# Altium PCB UltraZohm_Digital_Resolver.PcbDoc (part 2 of 3)
Units mm, origin at the board's own origin, x right, y up, seen from the top; angles counter-clockwise.
Board outline 155.99 x 100.01 mm, 4 copper layers (Top Layer, Ground, VCC, Bottom Layer), stack 0.98 mm thick; 372 components, 223 nets, 1088 pads, 356 vias.
Unrouted connection lines stored in the file: 162.
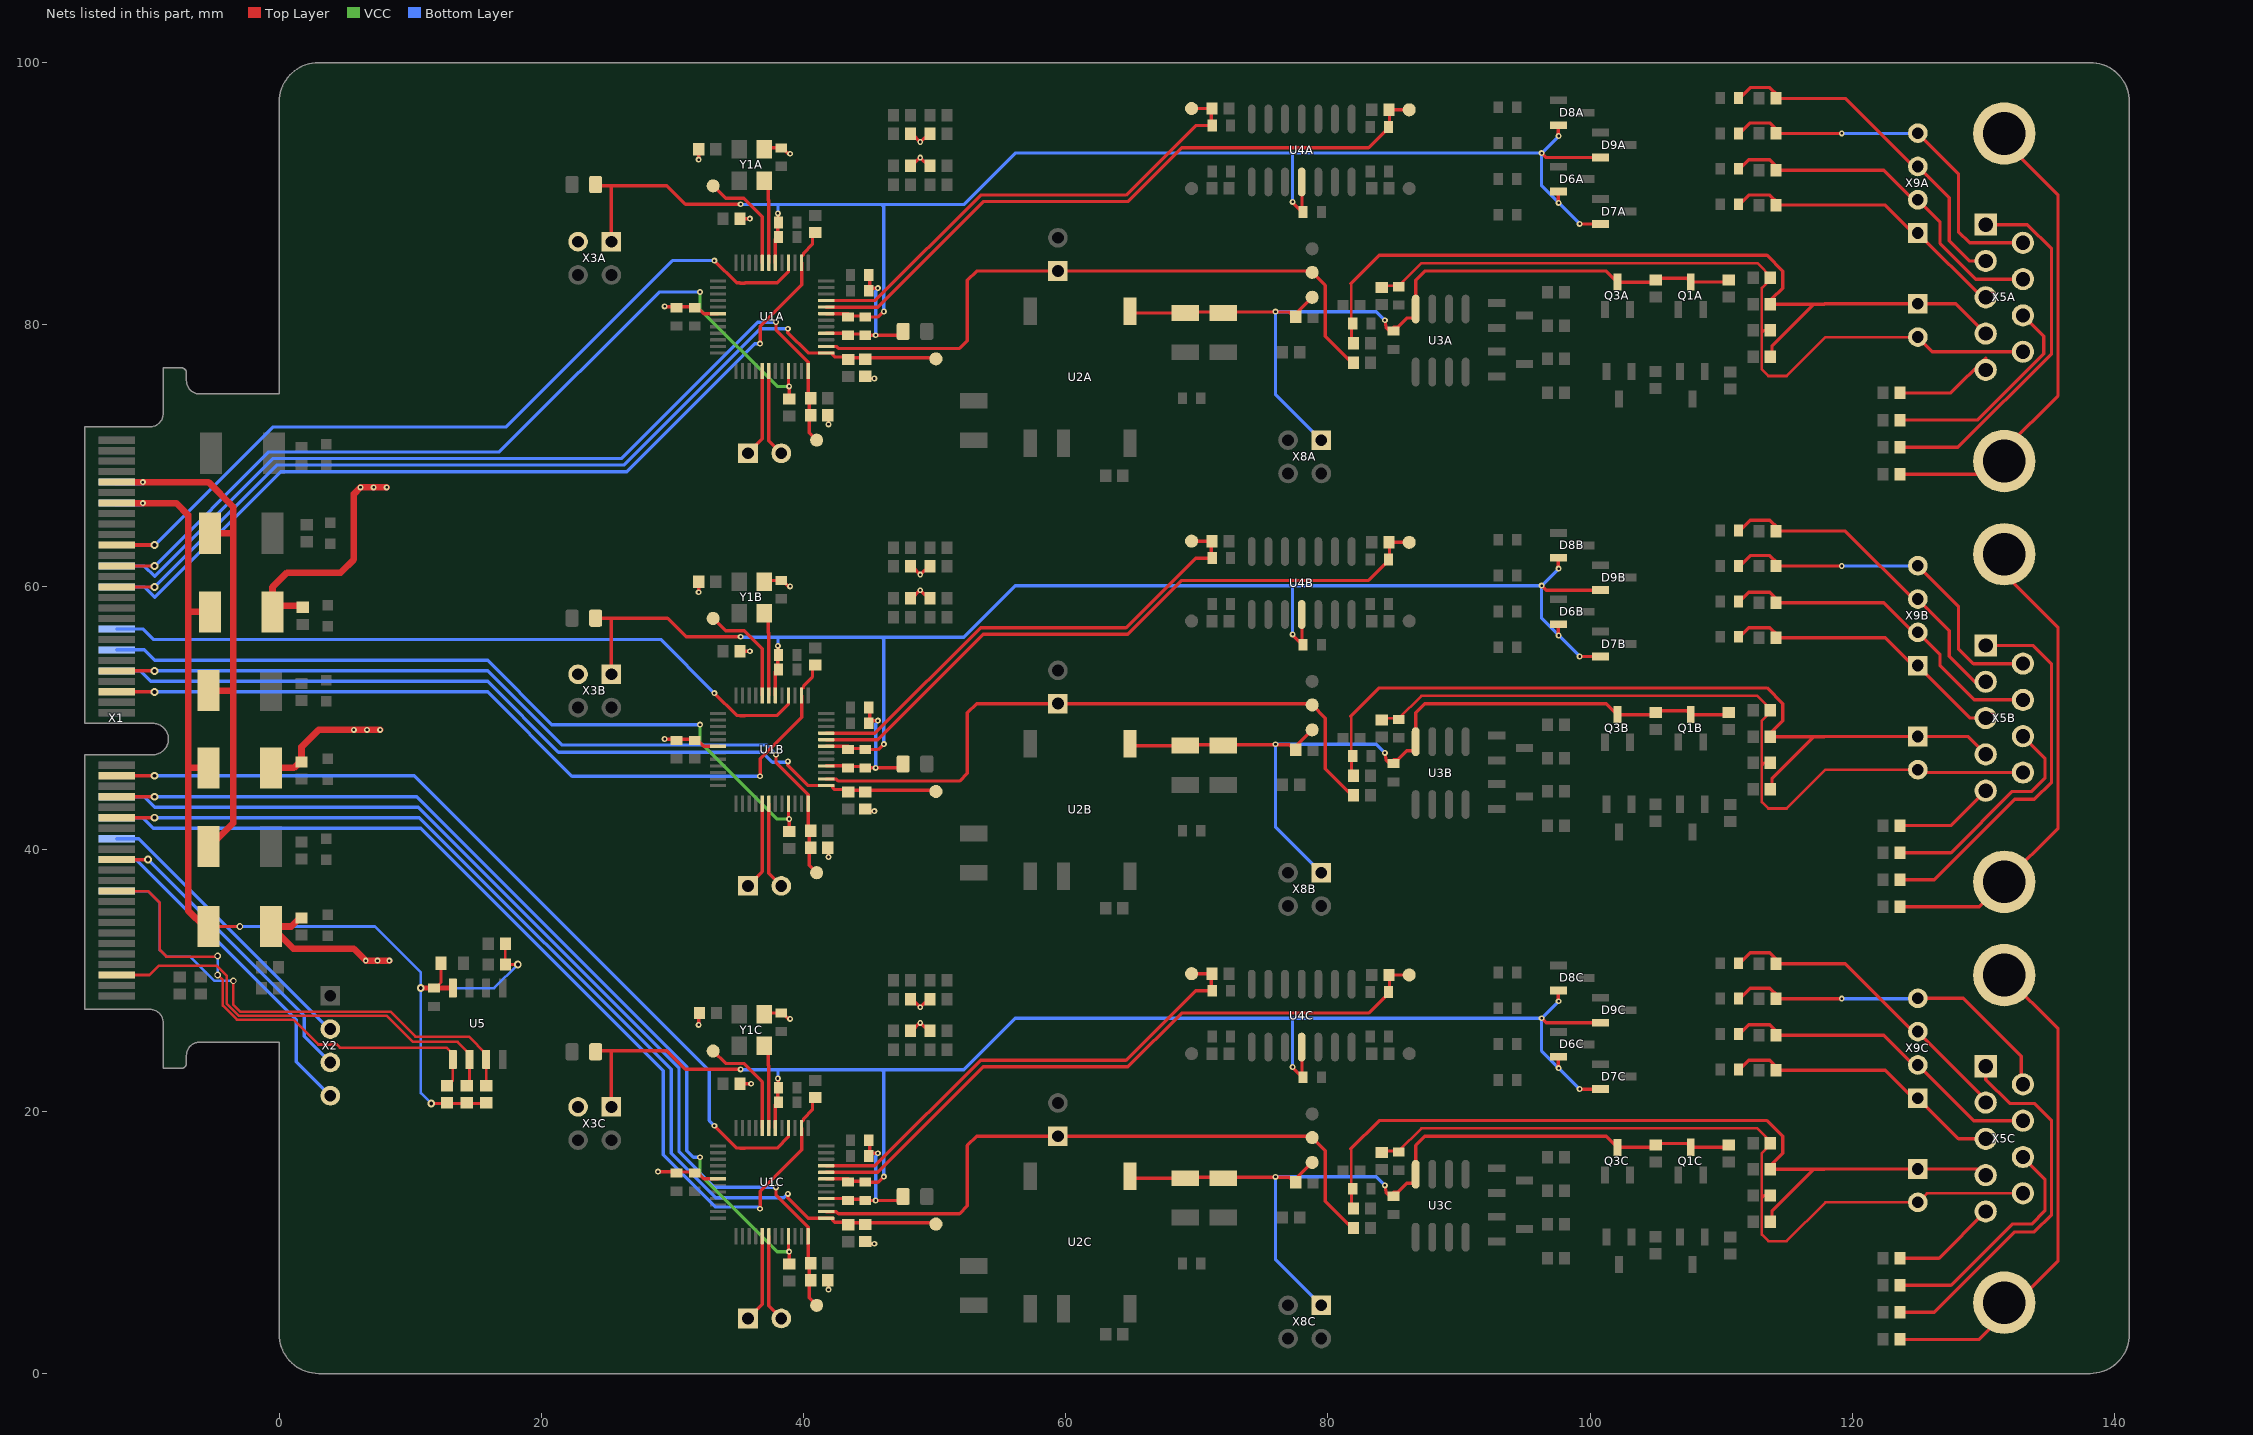
[diagram p4: the nets of this part, all layers, seen from the top]

## Part data
C1A C1B C1C C6A C6B C6C C8A C8B C8C C9A C9B C9C: library part GRM188R6YA475KE15D, "Capacitor 0603, 35 VDC, 4.7 µF, X5R", Device Package=0603, LCSC Part Number=C19666, Manufacturer=muRata, Operating Temperature="-55 - 85°C", Supplier Part Number 1=81-GRM188R6YA475KE5D, Tolerance="10 %", Voltage Rating="16 VDC", Component Type="Capacitor 0603", ComponentLink1Description=Datasheet, ComponentLink1URL=https://www.mouser.de/datasheet/2/281/murata_03052018_GRM_Series_1-1310166.pdf, Created from=MGremer, Created On="20.12.2020 13:54:13", Last Updated="20.12.2020 16:34:30", Live Cycle Status=1, Manufacturer Part Number=GRM188R6YA475KE15D, Mounting Type=SMD, PartID=11, Series=GRM, Stock number="Labor SMD Container", Supplier 1=Mouser, Type=Capacitor
C2A C2B C2C C5A C5B C5C C7A C7B C7C C10A C10B C10C: library part 0603B103K500NT, "50V 10nF X7R ±10% 0603  Multilayer Ceramic Capacitors MLCC - SMD/SMT ROHS", Device Package=0603, LCSC Part Number=C57112, Manufacturer="FH (Guangdong Fenghua Advanced Tech)", Operating Temperature="-55 - 125°C", Tolerance="10 %", Voltage Rating="50 VDC", Component Type="Capacitor 0603", ComponentLink1Description=Datasheet, ComponentLink1URL=https://datasheet.lcsc.com/lcsc/2102081402_FH--Guangdong-Fenghua-Advanced-Tech-0603B103K500NT_C57112.pdf, Created from=AGeiger, Created On="21.09.2022 07:22:21", Last Updated="21.09.2022 07:22:21", Live Cycle Status=1, Manufacturer Part Number=0603B103K500NT, Mounting Type=SMD, PartID=108, Series=X7R, Supplier 1=LCSC, Supplier Part Number 1=C57112, Type=Capacitor
C3: library part C0603C104K9PACTU, "Capacitor 0603, 6.3 VDC, 100 nF, X5R", Device Package=0603, Manufacturer=KEMET, Operating Temperature="-55 - 85°C", Supplier Part Number 1=80-C0603C104K9P, Tolerance="10 %", Voltage Rating="6.3 VDC", Component Type="Capacitor 0603", ComponentLink1Description=Datasheet, ComponentLink1URL=https://www.mouser.de/datasheet/2/212/KEM_C1006_X5R_SMD-1103249.pdf, Created from=MGremer, Created On="20.12.2020 13:54:13", Last Updated="20.01.2021 13:57:36", Live Cycle Status=1, Manufacturer Part Number=C0603C104K9PACTU, Mounting Type=SMD, PartID=70, Series="SMD Comm X5R", Stock number="not stored", Supplier 1=Mouser, Type=Capacitor
C4A C4B C4C C12A C12B C12C C24A C24B C24C C29A C29B C29C: library part CC0603KRX7R9BB104, "Capacitor 0603, 50 VDC, 100 nF, X7R", Device Package=0603, LCSC Part Number=C14663, Manufacturer=YAGEO, Operating Temperature="-55 - 125°C", Tolerance="10 %", Voltage Rating="50 VDC", Component Type="Capacitor 0603", ComponentLink1Description=Datasheet, ComponentLink1URL=https://datasheet.lcsc.com/lcsc/1809301912_YAGEO-CC0603KRX7R9BB104_C14663.pdf, Created from=AGeiger, Created On="22.08.2022 14:35:53", Last Updated="22.08.2022 14:35:53", Live Cycle Status=1, Manufacturer Part Number=CC0603KRX7R9BB104, Mounting Type=SMD, PartID=102, Series=X7R, Supplier 1=LCSC, Supplier 2=Mouser, Supplier Part Number 1=C14663, Supplier Part Number 2=603-CC603KRX7R9BB104, Type=Capacitor
C11A C11B C11C C13A C13B C13C C30A C30B C30C: library part Cap_1206, "Capacitor", LCSC Part Number=C50254, Voltage=50V
C14A C14B C14C C15A C15B C15C C16A C16B C16C C17A C17B C17C C18A C18B C18C C19A C19B C19C: library part CL10C101JB8NNNC, "50V 100pF C0G ±5% 0603 Multilayer Ceramic Capacitors MLCC - SMD/SMT ROHS", Device Package=0603, LCSC Part Number=C14858, Manufacturer="Samsung Electro-Mechanics", Operating Temperature="-55 - 125°C", Tolerance="5 %", Voltage Rating="50 VDC", Component Type="Capacitor 0603", ComponentLink1Description=Datasheet, ComponentLink1URL=https://datasheet.lcsc.com/lcsc/1811151136_Samsung-Electro-Mechanics-CL10C101JB8NNNC_C14858.pdf, Created from=AGeiger, Created On="03.09.2022 10:55:28", Last Updated="03.09.2022 10:55:28", Live Cycle Status=1, Manufacturer Part Number=CL10C101JB8NNNC, Mounting Type=SMD, PartID=106, Series=C0G, Supplier 1=LCSC, Supplier Part Number 1=C14858, Type=Capacitor
C20A C20B C20C C21A C21B C21C C22A C22B C22C C23A C23B C23C C25A C25B C25C C26A C26B C26C C27A C27B C27C C28A C28B C28C: library part CC0603JRNPO9BN102, "Capacitor 0603, 50 VDC, 1 nF, NP0", Device Package=0603, LCSC Part Number=C106246, Manufacturer=YAGEO, Operating Temperature="-55 - 125°C", Tolerance="5 %", Voltage Rating="50 VDC", Component Type="Capacitor 0603", ComponentLink1Description=Datasheet, ComponentLink1URL=https://datasheet.lcsc.com/lcsc/1811021411_YAGEO-CC0603JRNPO9BN102_C106246.pdf, Created from=AGeiger, Created On="30.08.2022 11:46:28", Last Updated="30.08.2022 11:46:28", Live Cycle Status=1, Manufacturer Part Number=CC0603JRNPO9BN102, Mounting Type=SMD, PartID=104, Series=NP0, Supplier 1=LCSC, Supplier Part Number 1=C106246, Type=Capacitor
D1: "LED BLUE 465~475NM 11.5~28.5MCD@5MA TOP VIEW 0603 ROHS", Color=blue, Device Package=0603, Forward Current I_f="20 mA", Forward Voltage U_f="2.8 V", LCSC Part Number=C72041, Manufacturer="Everlight Elec", Nominal Power="68 mW", Operating Temperature="-40 - 85 °C", Component Type="LED Diode", ComponentLink1Description=Datasheet, ComponentLink1URL=https://datasheet.lcsc.com/szlcsc/Everlight-Elec-19-217-BHC-ZL1M2RY-3T_C72041.pdf, Created from="T. Wendt", Created On="03.03.2021 09:59:51", Last Updated="04.03.2021 09:02:49", Light Intensity="28.5 mcd", Live Cycle Status=1, Manufacturer Part Number=19-217/BHC-ZL1M2RY/3T, Mounting Type=SMD, PartID=6, Stock number="not stored", Supplier 1=LCSC, Supplier Part Number 1=C72041, Type=Standard, Wavelength="470 nm"
D2A D2B D2C: "LED RED 520~625NM 90~100MCD@20MA TOP VIEW 0603 ROHS", Color=red, Device Package=0603, Forward Current I_f="20 mA", Forward Voltage U_f="2.1 V", LCSC Part Number=C2286, Manufacturer="Hubei KENTO Elec", Nominal Power="42 mW", Operating Temperature="-40 - 85 °C", Component Type="LED Diode", ComponentLink1Description=Datasheet, ComponentLink1URL=https://datasheet.lcsc.com/szlcsc/Hubei-KENTO-Elec-KT-0603R_C2286.pdf, Created from="T. Wendt", Created On="03.03.2021 10:06:23", Last Updated="04.03.2021 09:02:49", Light Intensity="110 mcd", Live Cycle Status=1, Manufacturer Part Number=KT-0603R, Mounting Type=SMD, PartID=8, Stock number="not stored", Supplier 1=LCSC, Supplier Part Number 1=C2286, Type=Standard, Wavelength="620 nm"
D3A D3B D3C: "LED GREEN 520~535NM 112~258MCD@20MA TOP VIEW 0603 ROHS", Color=green, Device Package=0603, Forward Current I_f="20 mA", Forward Voltage U_f="3.3 V", LCSC Part Number=C72043, Manufacturer="Everlight Elec", Nominal Power="83 mW", Operating Temperature="-40 - 85 °C", Component Type="LED Diode", ComponentLink1Description=Datasheet, ComponentLink1URL=https://datasheet.lcsc.com/szlcsc/Everlight-Elec-19-217-GHC-YR1S2-3T_C72043.pdf, Created from="T. Wendt", Created On="03.03.2021 10:06:23", Last Updated="04.03.2021 09:02:49", Light Intensity="285 mcd", Live Cycle Status=1, Manufacturer Part Number=19-217/GHC-YR1S2/3T, Mounting Type=SMD, PartID=7, Stock number="not stored", Supplier 1=LCSC, Supplier 2=Mouser, Supplier Part Number 1=C72043, Supplier Part Number 2=638-19217GHCYR1S23T, Type=Standard, Wavelength="530 nm"
D4A D4B D4C D5A D5B D5C: library part "Diode Array", "DIODE ARRAY GP 100V 215MA SOT23", LCSC Part Number=C2500, Package=SOT-23-3, Supplier Part Number 1=771-BAV99235, MF=Nexperia, MPN=BAV99,235, Supplier 1=Mouser, Supplier 2=Digi-Key, Supplier Part Number 2=1727-4311-1-ND
D6A D6B D6C D7A D7B D7C D8A D8B D8C D9A D9B D9C: library part "Diode Array Schottky", "DIODE SCHOTTKY 70V DUAL SOT23", LCSC Part Number=C389351, Package=SOT-23-3, Supplier Part Number 1=863-SBAS70-04LT1G, MF="ON Semiconductor", MPN=SBAS70-04LT1G, Supplier 1=Mouser, Supplier 2=Digi-Key, Supplier Part Number 2=SBAS70-04LT1GOSCT-ND
Date: library part 5, "Create a project parameter named \"FinDate\" this is the value of this component. It is printed on the PCB. Once the parameter is updated (e.g. new revision) it gets updated on the PCB as well", Manufacturer="PCB Manufacturer", Manufacturer Part Number="Project End Date", Component Type="Date of Project Finalization", Created from="T. Wendt", Created On="01.03.2021 09:01:41", Last Updated="01.03.2021 09:01:41", Live Cycle Status=1, PartID=5, Type="Standard (No BOM)"
Designer: library part 4, "Create a project parameter named \"Author\" this is the value of this component. It is printed on the PCB. Once the parameter is updated (e.g. new revision) it gets updated on the PCB as well", Manufacturer="PCB Manufacturer", Manufacturer Part Number="Project Author", Component Type="Project Author", Created from="T. Wendt", Created On="01.03.2021 08:53:41", Last Updated="01.03.2021 09:20:27", Live Cycle Status=1, PartID=4, Type="Standard (No BOM)"
F1 F2A F2B F2C F3A F3B F3C: "POLYSWITCH RESETTABLE DEVICES", Hold Current=1.1A, LCSC Part Number=C70119, Manufacturer=Littelfuse, MPN=miniASMDC110F/24, Nominal current="1 A", Operating Temperature="-40 - 85 °C", Package=1812, Resistance="0.18 Ohm", Supplier Part Number 1=530-0ZCG0150BF2C, Trip Current=2.2A, Voltage=24V, Component Type=Littelfuse_PTC_1812, ComponentLink1Description=Datasheet, ComponentLink1URL=https://www.littelfuse.com/~/media/electronics/datasheets/resettable_ptcs/littelfuse_ptc_surface_mount_catalog_datasheet.pdf.pdf, Created=2019_02_10_AGeiger, Created from=MHlatky, Created On="07.05.2021 06:50:33", Last Updated="27.05.2022 15:06:17", Live Cycle Status=1, Manufacturer Part Number=Littelfuse_PTC_1812, MF=Littelfuse, Mounting Type=SMD, PartID=5, Supplier 1=Mouser, Type=Fuse
L1A L1B L1C L2A L2B L2C: "2A 1 90mΩ 600Ω@100MHz ±25% 0805  Ferrite Beads ROHS", DC current="2 A", Device Package=0805, LCSC Part Number=C98308, Manufacturer=Sunlord, Operating Temperature="-55 - 125 °C", Component Type="Ferrite Beads", ComponentLink1Description=Datasheet, ComponentLink1URL=https://datasheet.lcsc.com/lcsc/2110091730_Sunlord-UPZ2012E601-2R0TF_C98308.pdf, Created from=AGeiger, Created On="03.09.2022 16:57:01", Last Updated="03.09.2022 17:01:04", Live Cycle Status=1, Manufacturer Part Number=UPZ2012E601-2R0TF, Mounting Type=SMD, PartID=11, Supplier 1=LCSC, Supplier Part Number 1=C98308, Type="Ferrite Bead"
LOGO1 LOGO2: library part 1, "Official Project Logo of the UltraZohm", Manufacturer="PCB Manufacturer", Manufacturer Part Number="UltraZohm Logo", Component Type=Logo, ComponentLink1Description=Homepage, ComponentLink1URL=https://ultrazohm.com, Created from="T. Wendt", Created On="19.02.2021 16:55:56", Last Updated="02.03.2021 14:31:24", Live Cycle Status=1, PartID=1, Type="Standard (No BOM)"
Project: library part 2, "Create a project parameter named \"ProjectNameCustom\" this is the value of this component and it is printed on the PCB.", Manufacturer="PCB Manufacturer", Manufacturer Part Number="Project Name", Component Type="Project Name", Created from="T. Wendt", Created On="01.03.2021 08:43:57", Last Updated="01.03.2021 09:07:27", Live Cycle Status=1, PartID=2, Type="Standard (No BOM)"
Q1A Q1B Q1C Q3A Q3B Q3C: library part "NPN Transistor BC846", "NPN Bipolar Transistor", LCSC Part Number=C513271, Package=SOT-23-3, Supplier Part Number 1=863-BC846BLT3G, MF="ON Semiconductor", MPN=BC846BLT3G, Supplier 1=Mouser, Supplier 2=Digi-Key, Supplier Part Number 2=BC846BLT3GOSCT-ND
Q2A Q2B Q2C Q4A Q4B Q4C: library part "PNP Transistor BC846", "PNP Bipolar Transistor", LCSC Part Number=C109310, Package=SOT-23-3, Supplier Part Number 1=771-BC856B-T/R, MF=Nexperia, MPN=BC856B,215, Supplier 1=Mouser, Supplier 2=Digi-Key, Supplier Part Number 2=1727-2925-1-ND
R1 R2 R3A R3B R3C R4A R4B R4C R5A R5B R5C R50A R50B R50C R51A R51B R51C R52A R52B R52C R53 R54: library part RC0603JR-070RL, "SMD resistor E24 series", Device Package=0603, LCSC Part Number=C21189, Manufacturer=YAGEO, Supplier Part Number 1=603-RC0603JR-070RL, Tolerance=5%, Component Type="SMD resistor", ComponentLink1Description=Datasheet, ComponentLink1URL=https://www.mouser.de/datasheet/2/447/PYu-RC_Group_51_RoHS_L_10-1664068.pdf, Created from=MGremer, Created On="14.12.2020 16:17:14", Last Updated="04.03.2021 09:09:42", Live Cycle Status=1, Manufacturer Part Number=RC0603JR-070RL, Mounting Type=SMD, PartID=1, Stock number="Labor SMD Container", Supplier 1=Mouser, Supplier 2=LCSC, Supplier Part Number 2=C21189, Type=Resistor
R6 R24A R24B R24C: library part RK73B1JTTD223J, "SMD resistor E24 series", Device Package=0603, LCSC Part Number=C31850, Manufacturer="KOA Speer", Supplier Part Number 1=660-RK73B1JTTD223J, Tolerance=5%, Component Type="SMD resistor", ComponentLink1Description=Datasheet, ComponentLink1URL=https://www.mouser.de/datasheet/2/219/RK73B-1825463.pdf, Created from=MGremer, Created On="14.12.2020 16:17:14", Last Updated="01.02.2023 09:52:31", Live Cycle Status=1, Manufacturer Part Number=RK73B1JTTD223J, Mounting Type=SMD, PartID=106, Stock number="Labor SMD Container", Supplier 1=Mouser, Type=Resistor
R7A R7B R7C R8A R8B R8C R9A R9B R9C R10A R10B R10C R11A R11B R11C R12A R12B R12C R13A R13B R13C R14A R14B R14C R15A R15B R15C R16A R16B R16C R17A R17B R17C R18A R18B R18C R19A R19B R19C R20A R20B R20C R21A R21B R21C R25A R25B R25C R26A R26B R26C R27A R27B R27C: library part RK73B1JTTD103J, "SMD resistor E24 series", Device Package=0603, LCSC Part Number=C25804, Manufacturer="KOA Speer", Supplier Part Number 1=660-RK73B1JTTD103J, Tolerance=5%, Component Type="SMD resistor", ComponentLink1Description=Datasheet, ComponentLink1URL=https://www.mouser.de/datasheet/2/219/RK73B-1825463.pdf, Created from=MGremer, Created On="14.12.2020 16:17:14", Last Updated="27.05.2022 14:04:22", Live Cycle Status=1, Manufacturer Part Number=RK73B1JTTD103J, Mounting Type=SMD, PartID=98, Stock number="Labor SMD Container", Supplier 1=Mouser, Type=Resistor
R22A R22B R22C R46A R46B R46C R47A R47B R47C R48A R48B R48C R49A R49B R49C R55 R56 R57: library part 0603WAF4701T5E, "SMD resistor E24 series", Device Package=0603, LCSC Part Number=C23162, Manufacturer=UNI-ROYAL, Tolerance=1%, Component Type="SMD resistor", ComponentLink1Description=Datasheet, ComponentLink1URL=https://datasheet.lcsc.com/lcsc/2206010116_UNI-ROYAL-Uniroyal-Elec-0603WAF4701T5E_C23162.pdf, Created from=AGeiger, Created On="14.12.2020 16:17:14", Last Updated="25.08.2022 20:03:04", Live Cycle Status=1, Manufacturer Part Number=0603WAF4701T5E, Mounting Type=SMD, PartID=90, Stock number="Labor SMD Container", Supplier 1=LCSC, Supplier Part Number 1=C23162, Type=Resistor
R23A R23B R23C R30A R30B R30C R33A R33B R33C R34A R34B R34C R37A R37B R37C: library part RK73B1JTTD222J, "SMD resistor E24 series", Device Package=0603, LCSC Part Number=C4190, Manufacturer="KOA Speer", Supplier Part Number 1=660-RK73B1JTTD222J, Tolerance=5%, Component Type="SMD resistor", ComponentLink1Description=Datasheet, ComponentLink1URL=https://www.mouser.de/datasheet/2/219/RK73B-1825463.pdf, Created from=MGremer, Created On="14.12.2020 16:17:14", Last Updated="31.01.2023 21:49:41", Live Cycle Status=1, Manufacturer Part Number=RK73B1JTTD222J, Mounting Type=SMD, PartID=82, Stock number="Labor SMD Container", Supplier 1=Mouser, Type=Resistor
R28A R28B R28C R29A R29B R29C: library part RK73B1JTTD153J, "SMD resistor E24 series", Device Package=0603, LCSC Part Number=C22809, Manufacturer="KOA Speer", Supplier Part Number 1=660-RK73B1JTTD153J, Tolerance=5%, Component Type="SMD resistor", ComponentLink1Description=Datasheet, ComponentLink1URL=https://www.mouser.de/datasheet/2/219/RK73B-1825463.pdf, Created from=MGremer, Created On="14.12.2020 16:17:14", Last Updated="27.05.2022 13:41:55", Live Cycle Status=1, Manufacturer Part Number=RK73B1JTTD153J, Mounting Type=SMD, PartID=102, Stock number="Labor SMD Container", Supplier 1=Mouser, Type=Resistor
R31A R31B R31C R32A R32B R32C R35A R35B R35C R36A R36B R36C: library part RK73B1JTTDD3R3J, "SMD resistor E24 series", Device Package=0603, LCSC Part Number=C25238, Manufacturer="KOA Speer", Supplier Part Number 1=660-RK73B1JTTDD3R3J, Tolerance=5%, Component Type="SMD resistor", ComponentLink1Description=Datasheet, ComponentLink1URL=https://www.mouser.de/datasheet/2/219/RK73B-1825463.pdf, Created from=MGremer, Created On="14.12.2020 16:17:14", Last Updated="31.01.2023 21:46:34", Live Cycle Status=1, Manufacturer Part Number=RK73B1JTTDD3R3J, Mounting Type=SMD, PartID=14, Stock number="Labor SMD Container", Supplier 1=Mouser, Type=Resistor
R38A R38B R38C R39A R39B R39C R40A R40B R40C R41A R41B R41C: library part RK73B1JTTDD4R7J, "SMD resistor E24 series", Device Package=0603, LCSC Part Number=C23164, Manufacturer="KOA Speer", Supplier Part Number 1=660-RK73B1JTTDD4R7J, Tolerance=5%, Component Type="SMD resistor", ComponentLink1Description=Datasheet, ComponentLink1URL=https://www.mouser.de/datasheet/2/219/RK73B-1825463.pdf, Created from=MGremer, Created On="14.12.2020 16:17:14", Last Updated="31.01.2023 21:53:12", Live Cycle Status=1, Manufacturer Part Number=RK73B1JTTDD4R7J, Mounting Type=SMD, PartID=18, Stock number="Labor SMD Container", Supplier 1=Mouser, Type=Resistor
R42A R42B R42C R43A R43B R43C R44A R44B R44C R45A R45B R45C: library part RK73B1JTTD101J, "SMD resistor E24 series", Device Package=0603, LCSC Part Number=C22775, Manufacturer="KOA Speer", Supplier Part Number 1=660-RK73B1JTTD101J, Tolerance=5%, Component Type="SMD resistor", ComponentLink1Description=Datasheet, ComponentLink1URL=https://www.mouser.de/datasheet/2/219/RK73B-1825463.pdf, Created from=MGremer, Created On="14.12.2020 16:17:14", Last Updated="29.11.2022 14:30:07", Live Cycle Status=1, Manufacturer Part Number=RK73B1JTTD101J, Mounting Type=SMD, PartID=50, Stock number="Labor SMD Container", Supplier 1=Mouser, Supplier 2=LCSC, Supplier Part Number 2=C22775, Type=Resistor
R59 R60: library part RK73B1JTTD104J, "SMD resistor E24 series", Device Package=0603, LCSC Part Number=C25803, Manufacturer="KOA Speer", Supplier Part Number 1=660-RK73B1JTTD104J, Tolerance=5%, Component Type="SMD resistor", ComponentLink1Description=Datasheet, ComponentLink1URL=https://www.mouser.de/datasheet/2/219/RK73B-1825463.pdf, Created from=MGremer, Created On="14.12.2020 16:17:14", Last Updated="27.05.2022 14:04:10", Live Cycle Status=1, Manufacturer Part Number=RK73B1JTTD104J, Mounting Type=SMD, PartID=122, Stock number="Labor SMD Container", Supplier 1=Mouser, Type=Resistor
Revision: library part 3, "Create a project parameter named \"ProjectRevision\" this is the value of this component. It is printed on the PCB. Once the parameter is updated (e.g. new revision) it gets updated on the PCB as well", Manufacturer="PCB Manufacturer", Manufacturer Part Number="Project Revision", Component Type="Project Revision", Created from="T. Wendt", Created On="01.03.2021 08:50:34", Last Updated="01.03.2021 09:28:36", Live Cycle Status=1, PartID=3, Type="Standard (No BOM)"
SB1: library part =Value, Device Package=0603, Component Type="Solder Bump", Created from=AGeiger, Created On="09.01.2024 17:13:56", Last Updated="09.01.2024 17:13:56", Manufacturer Part Number="Solder Bump 0603", Mounting Type=SMD, PartID=1, Revision="July-2002: Re-released for DXP Platform."
Serial: library part 6, "Field to put in a serial number", Manufacturer="PCB Manufacturer", Manufacturer Part Number="Serial Number", Component Type="Serial Number", Created from="T. Wendt", Created On="02.03.2021 14:31:24", Last Updated="02.03.2021 14:31:24", Live Cycle Status=1, PartID=6, Type="Standard (No BOM)"
TP1A TP1B TP1C TP2A TP2B TP2C TP3A TP3B TP3C TP4A TP4B TP4C TP5A TP5B TP5C TP6A TP6B TP6C TP7A TP7B TP7C TP8A TP8B TP8C TP9A TP9B TP9C TP10A TP10B TP10C: library part TP_1mm, "Testpoint 1mm", Created=2018_06_25_AGeiger
U1A U1B U1C: "Variable Resolution, 10-Bit to 16-Bit R/D Converter with Reference Oscillator", LCSC Part Number=C408404, MPN=AD2S1210WDSTZRL7, Package=LQFP-48, Supplier Part Number 1=584-AD2S1210WDSTZR7, ComponentLink1Description=Datasheet, ComponentLink1URL=https://www.analog.com/media/en/technical-documentation/data-sheets/AD2S1210.pdf, Created=2019_04_20_AGeiger, MF="Analog Devices", Supplier 1=Mouser, Supplier 2=Digi-Key, Supplier Part Number 2=AD2S1210WDSTZRL7CT-ND
U2A U2B U2C: library part "DC/DC +12V 1W", "DC DC CONVERTER 12V 1W", LCSC Part Number=C5707797, Package=5-SMD, Supplier Part Number 1=490-PDS1S24S12MTR, MF=CUI, MPN=PDS1-S24-S12-M-TR, Supplier 1=Mouser, Supplier 2=Digi-Key, Supplier Part Number 2=102-3406-1-ND
U3A U3B U3C: library part AD8662, "IC OPAMP GP 2 CIRCUIT 14SOIC", LCSC Part Number=C28133, Package=SOIC-8, Supplier Part Number 1=584-AD8662ARZ, MF="Analog Devices", MPN=AD8662ARZ, Supplier 1=Mouser, Supplier 2=Digi-Key, Supplier Part Number 2=AD8662ARZ-ND
U4A U4B U4C: library part LT1639CS, "IC OPAMP GP 4 CIRCUIT 14SO", LCSC Part Number=C579803, MPN=LT1639CS#PBF, Package=SO-14, Supplier Part Number 1=584-LT1639CS#PBF, MF="Analog Devices", Supplier 1=Mouser, Supplier 2=Digikey, Supplier Part Number 2=LT1639CS#PBF-ND
U5: "2Kbit I2C SOP-8 EEPROM ROHS", Device Package=SOIC-8, LCSC Part Number=C7562, Manufacturer=STMicroelectronics, Operating Temperature="-40 to +85 °C", Supplier Part Number 1=511-M24C02-WMN6TP, Component Type=EEPROM, ComponentLink1Description=Datasheet, ComponentLink1URL=https://www.st.com/resource/en/datasheet/m24c01-w.pdf, Created from=AGeiger, Created On="19.11.2023 14:54:27", Last Updated="19.11.2023 21:39:04", Manufacturer Part Number=M24C02-WMN6TP, Mounting Type=SMD, PartID=1, Series=M24xxx, Supplier 1=Mouser, Supplier 2=LCSC, Supplier Part Number 2=C7562, Type=Memory
X1: "Mating Card Layout for HSEC8-150-01-XX-DV-A-BL", Manufacturer=SAMTEC, Created=2018_04_23_AGeiger
X2 X9A X9B X9C: "Header, 4-Pin", LatestRevisionDate=17-Jul-2002, LatestRevisionNote="Re-released for DXP Platform.", Publisher="Altium Limited"
X3A X3B X3C X8A X8B X8C: "Header, 2-Pin, Dual row", LatestRevisionDate=17-Jul-2002, LatestRevisionNote="Re-released for DXP Platform.", Publisher="Altium Limited"
X4A X4B X4C X6A X6B X6C X7A X7B X7C: "Header, 2-Pin", LatestRevisionDate=17-Jul-2002, LatestRevisionNote="Re-released for DXP Platform.", Publisher="Altium Limited"
X5A X5B X5C: "Connector; D Subminiature; 9 Position; Right Angle; Pitch 1.385 mm", Device Package=-, LCSC Part Number=C141882, Manufacturer="TE Connectivity", PackageDocument=O, Supplier Part Number 1=571-2311765-1, Component Type="DSUB Connector", ComponentLink1Description=Datasheet, ComponentLink1URL=https://www.mouser.de/datasheet/2/418/7/ENG_CD_2311765_D-2072985.pdf, Created from=MHlatky, Created On="26.01.2021 09:19:51", DatasheetDocument=1-Sep-1999, Gender=Receptacle, Last Updated="27.05.2022 15:54:50", LatestRevisionDate=17-Jul-2002, LatestRevisionNote="Re-released for DXP Platform.", Live Cycle Status=1, Manufacturer Part Number=DSUB1.385-2H9, Orientation="Right Angle", PackageReference=788750, PartID=5, Positions=9, Published=15-Jun-2001, Publisher="Altium Limited", Stock number="not stored", Supplier 1=Mouser, Type="DSUB Connector"